# KiCad board FrontEnd_5G.kicad_pcb (continued)
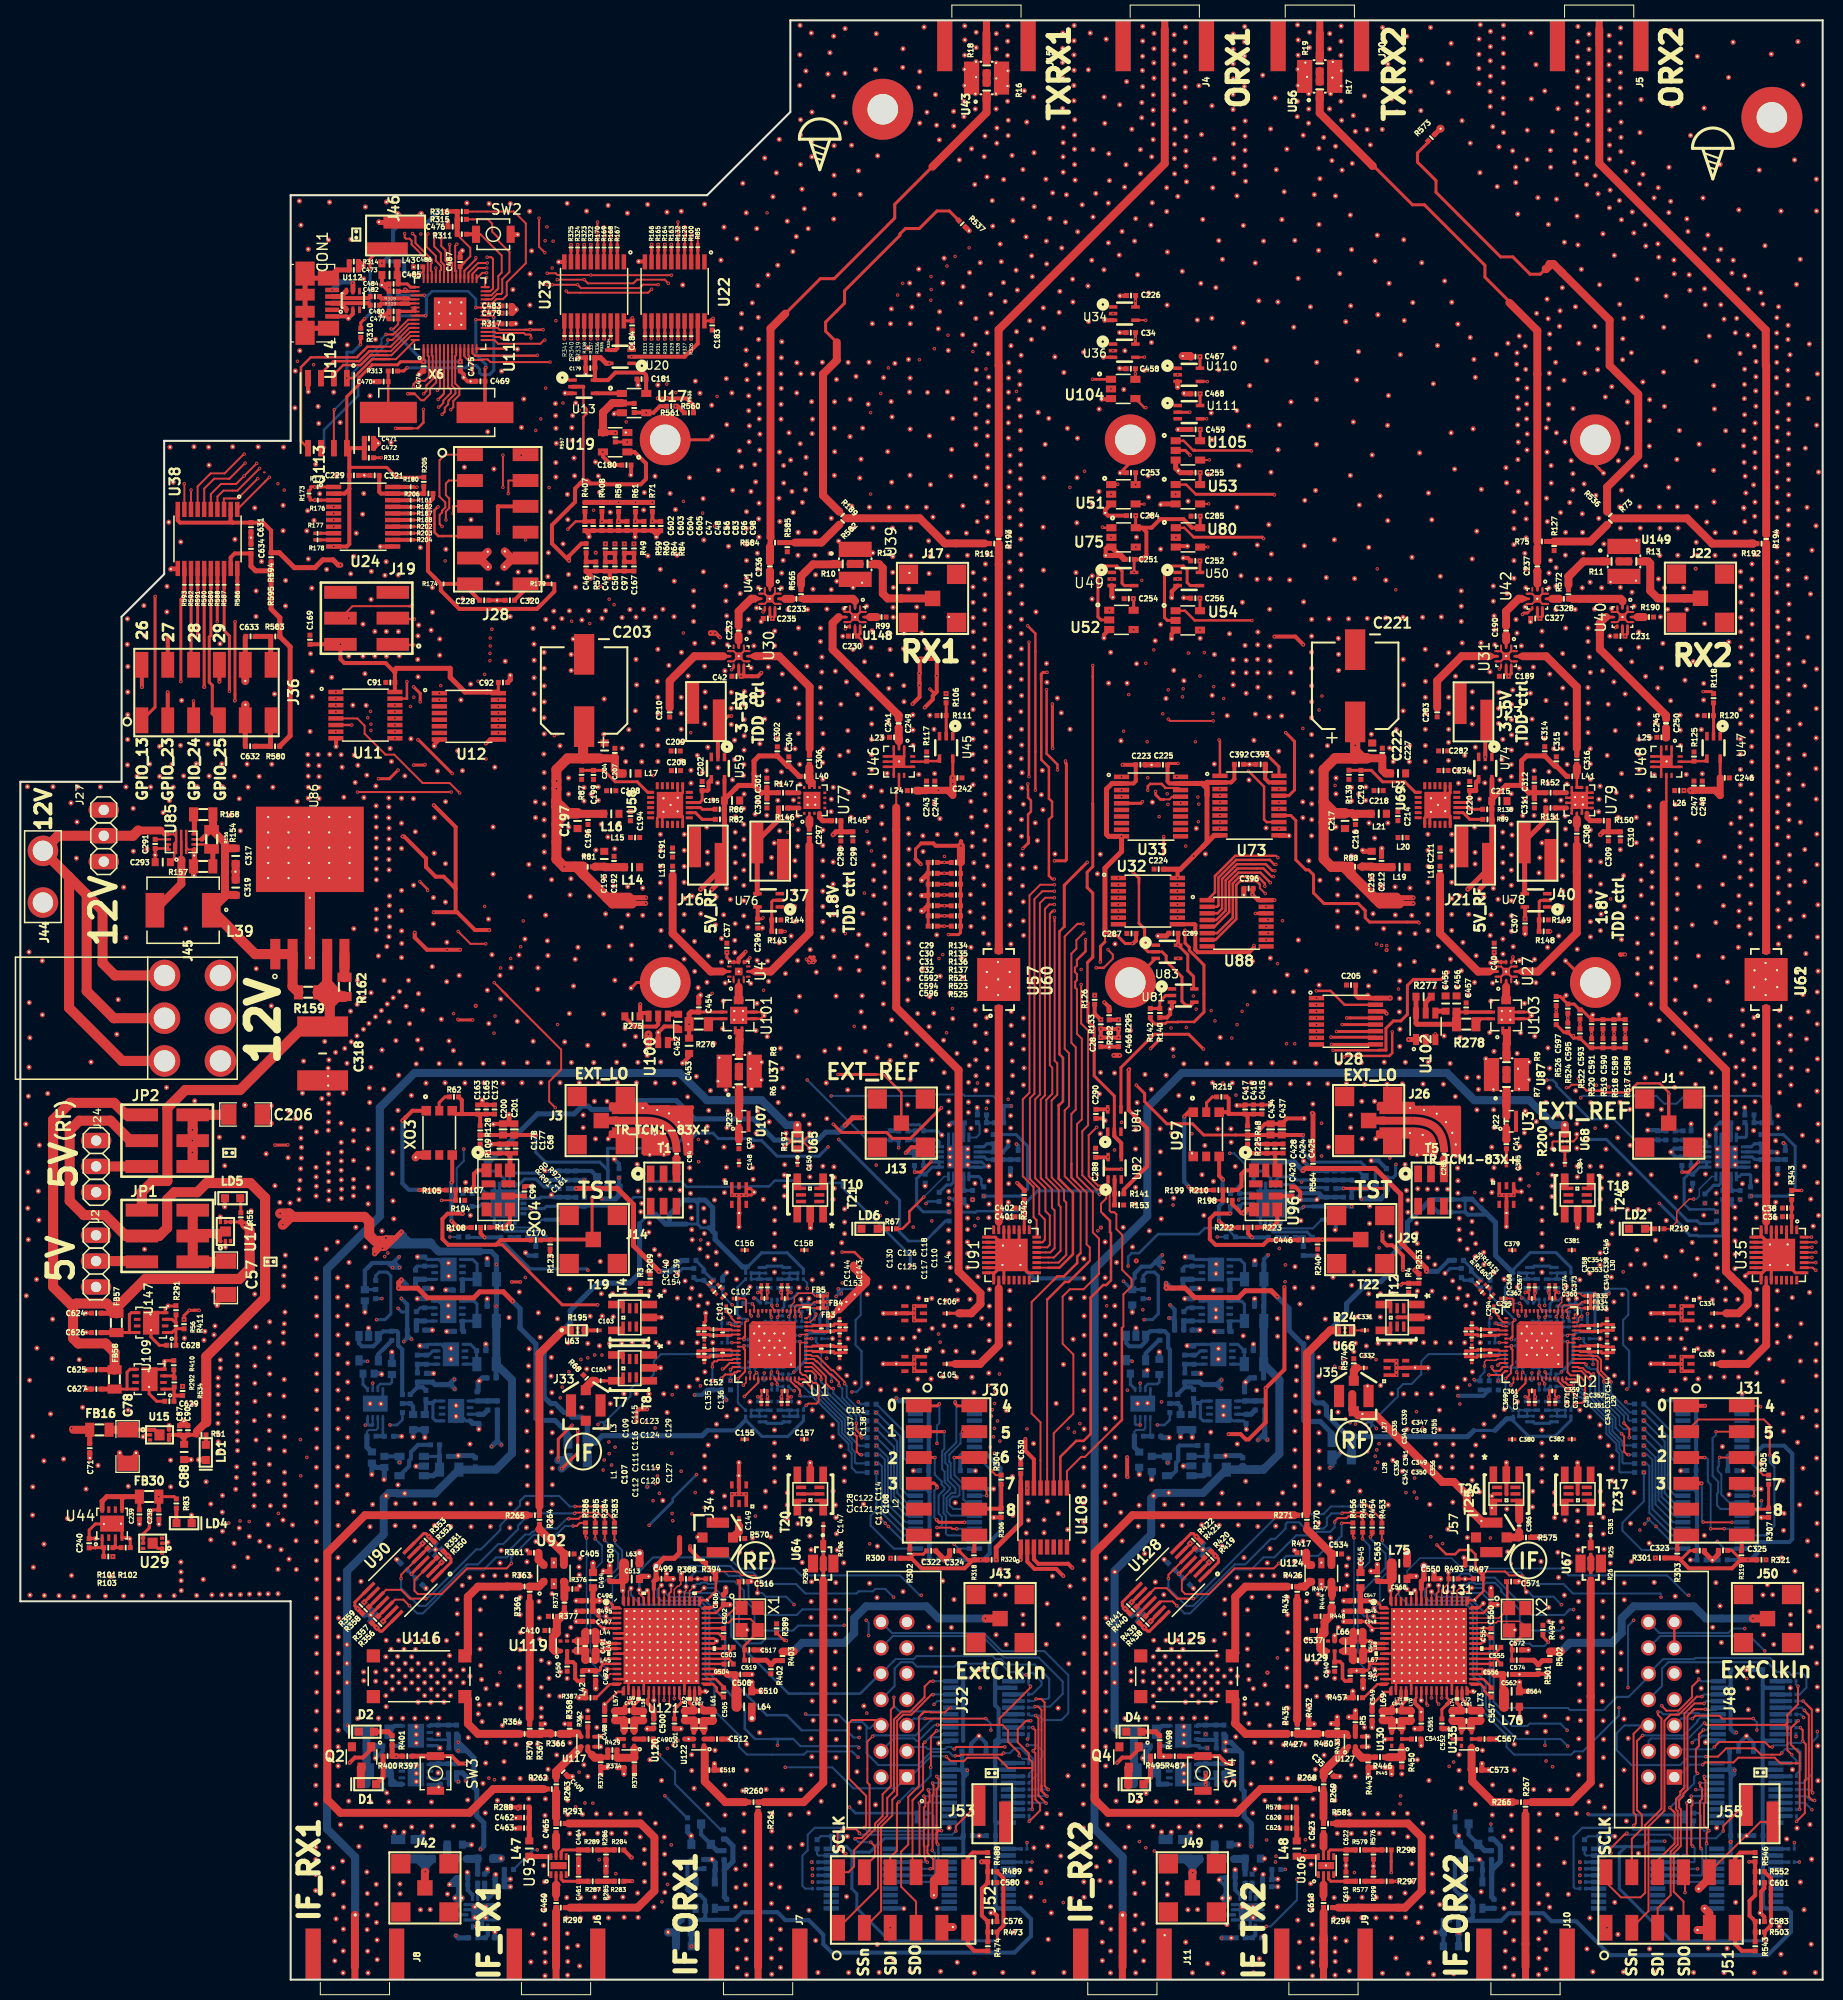
[diagram p0: board, top side]
## Routing (per net, layer and track width the routed paths; a pad name or vN(x,y) marks a point on that pad's centre or on a via; arc(x,y) is an arc through that point) (continued)
  B2.RO w0.4: 95.83,28.91 96.06,28.69 U134.2 ; 95.83,28.91 95.83,29.68 95.84,29.69 95.83,29.7 C579.1 ; 95.83,28.91 95.83,26.96 96.16,26.63 96.16,23.77 95.84,23.45 95.83,23.45 C575.1 ; U132.2 96.09,20.64 95.83,20.89 95.83,21.38 ; 95.83,21.38 C575.1 ; 95.83,21.38 95.83,15.56 ; 95.83,15.56 95.96,15.44 U132.10 ; 95.83,15.56 95.86,15.53 C525.1 95.86,12.8 ; U123.2 96.09,12.21 95.86,12.43 95.86,12.8 ; 95.86,12.8 95.86,7.25 96.11,7 U123.10 98.31,7 99.35,5.96 99.35,4.28 97.73,2.66 79.77,2.66 78.93,3.5 78.93,4.41 77.49,5.85 75.2,5.85 74.42,6.63 70.94,6.63 70.19,5.88 67.08,5.88 ; 44.46,8.34 44.44,8.34 43.98,8.8 C522.1 C520.1 ; 67.08,5.88 67.1,5.88 67.33,6.11 67.33,7 U118.2 67.32,7.82 66.82,8.32 66.09,8.32 65.57,8.84 65.57,11.43 65.94,11.8 R379.1 ; 67.08,5.88 C408.2 ; C575.1 95.84,22.48 95.84,22.92 96.24,23.32 96.08,23.49 U134.10 ; C523.2 46.67,8.59
  B2.RO w0.5: C520.1 43.98,10.51 43.94,10.55 ; v2(43.05,19.46) 42.88,19.63 R46.2 43.46,20.32 43.82,19.96 v2(43.82,19.52) ; v2(65.95,3.28) C407.2 65.94,4.65 C408.2 ; C523.2 C521.2 46.67,10.28 46.73,10.34
+3.3V_SC1905_#2: length 289.6
  F.RO w0.15: 137.97,40.67 137.97,39.35 137.72,39.1 U131.58 ; U131.5 132.86,34.54
  F.RO w0.25: 137.71,38.39 137.72,38.38 U131.58 ; 132.88,27.08 132.94,27.08 134.14,28.28 134.7,28.28 134.72,28.3 U131.17 ; R497.2 142.84,39.39 141.34,39.39 R493.2 ; 137.71,27.45 137.71,28.4 U131.23 ; v2(140.6,27.41) 140.52,27.41 140.22,27.71 U131.28
  F.RO w0.3: 140.25,27.07 139.74,26.56 C552.1 ; C548.1 132.17,35.21 132.25,35.13 132.27,35.13 132.57,34.83 ; 132.57,34.83 132.87,34.53 132.87,34.38 ; 132.57,34.83 132.86,34.54 ; U128.4 113.89,39.9
  F.RO w0.4: 113.89,39.9 v2(113.89,39.87) ; v2(122.59,30.18) 122.59,30.18 122.58,30.18 ; 140.25,27.07 140.26,27.07 v2(140.6,27.41)
  F.RO w0.5: v2(141.39,4.65) 141.4,4.65 ; R498.2 R495.2 112.34,21.97 112.38,21.93 112.41,21.96 R487.2
  F.RO w0.51: 137.72,38.38 137.72,39.14 137.98,39.4 C550.2 137.97,39.45 137.97,40.68 ; 132.88,27.08 C549.1
  F.FR4 w0.3: 132.86,34.31 133.3,33.87 ; 133.3,33.87 134.03,33.87 ; 133.3,33.87 132.87,34.3 132.87,34.38
  F.FR4 w0.4: 120.35,23.52 124.17,27.34 127.08,27.34 127.34,27.08 132.88,27.08 ; 126.86,30.34 127.59,30.34 129.13,31.88 134.03,31.88 ; 121.57,17.18 122.49,16.26 122.49,13.75 121.2,12.46 121.07,12.46 119.42,10.81 ; 121.57,17.18 121.55,17.2 ; 121.57,17.18 121.57,17.15 121.57,17.18 ; 121.89,18.53 121.89,18.56 121.55,18.22 121.55,17.2 ; 121.55,17.2 122.51,16.24 v2(122.51,13.73) ; 140.68,28.22 140.4,28.49 137.88,28.49 137.71,28.32 137.71,27.45 ; 140.68,28.22 140.68,27.49 v2(140.6,27.41) ; 140.68,28.22 140.68,27.5 141.07,27.11 144.62,27.11 145.66,28.15 145.66,36.13 146.35,36.82 146.35,37.57 144.53,39.39 142.03,39.39 ; 121.89,24.38 121.89,24.46
  F.FR4 w0.46: 137.71,27.45 137.71,27.46
  F.FR4 w0.5: 118.55,19.52 118.49,19.46 117.92,20.03 117.92,20.57 117.91,20.57 116.51,21.97 112.96,21.97 ; 112.96,21.97 112.42,21.97 112.38,21.93 ; 112.96,21.97 112.95,21.97 ; 141.39,40.67 141.12,40.94 138.24,40.94 137.97,40.67 ; 121.89,18.53 121.86,18.53 122.19,18.86 122.19,24.12 121.93,24.38 121.89,24.38 ; v2(131.14,10.53) 126.54,10.53 125.51,11.56 v2(123.38,11.56) 123.43,11.61 v2(123.43,12.13) ; 123.09,29.69 v2(122.59,30.18) 123.09,29.69
  F.FR4 w0.51: 134.03,27.08 136.06,27.08 136.43,27.45 137.71,27.45 ; 134.03,27.08 132.88,27.08 ; 134.03,27.08 134.03,36.85 133.52,37.36 133.52,39.15 135.04,40.67 137.97,40.67 ; 141.39,40.67 142.03,40.03 142.03,39.39
  F.FR4 w0.79: 123.77,27.44 123.77,26.26 123.6,26.09 122.56,26.09 121.89,25.42 121.89,24.46 121.8,24.37 121.05,24.37 120.35,23.67 120.35,20.61 119.26,19.52 118.55,19.52 ; 123.77,27.44 123.93,27.6 125.34,27.6 ; 123.77,27.44 123.77,27.62 123.44,27.95 123.44,29.33 123.09,29.69 ; 125.34,27.6 125.98,27.6 ; 125.34,27.6 125.52,27.78 125.52,29.7 126.16,30.34 126.86,30.34
  B.FR4 w0.3: v2(113.89,39.87) 113.71,39.69 113.71,38.15 114.18,37.68
  B.FR4 w0.4: v2(122.51,13.73) 123.43,12.81 v2(123.43,12.13) 123.43,11.6
  B.FR4 w0.5: 123.43,11.6 122.17,10.34 ; v2(131.14,10.53) 131.21,10.46 131.21,3.19 131.36,3.04 139.78,3.04 v2(141.39,4.65) ; 114.18,37.68 116.21,35.65 116.22,35.65 116.96,34.91 121.27,34.91 121.79,34.39 121.79,30.98 v2(122.59,30.18)
  B2.RO w0.3: 119.48,10.1 119.47,10.09 ; 119.52,9.4 119.47,9.35 ; 122.11,8.59 121.54,8.02 IC2.4 ; 119.41,8.83 119.9,8.34 IC2.1 ; U126.2 142.75,6.99
  B2.RO w0.4: 141.39,5.89 C533.2 142.33,5.88 ; 141.38,4.66 v2(141.39,4.65) ; C566.2 122.11,10.28 122.17,10.34 ; 119.9,8.34 119.42,8.82 C569.1 C565.1 119.42,10.51 119.38,10.55 ; 171.3,12.45 171.55,12.2 U138.2 ; 171.3,12.45 171.3,7.25 171.55,7 U138.10 173.67,7 174.06,6.61 174.06,4.7 171.77,2.41 156.27,2.41 152.94,5.74 150.52,5.74 149.73,6.53 146.3,6.53 145.56,5.79 142.42,5.79 142.33,5.88 ; 171.3,12.45 C586.1 171.3,15.53 171.27,15.56 ; 171.27,20.89 171.53,20.63 U137.2 ; 171.27,20.89 171.27,15.56 ; 171.27,20.89 C585.1 171.27,23.71 ; 171.27,15.56 171.4,15.43 U137.10 ; 171.27,28.91 171.5,28.68 U136.2 ; 171.27,28.91 171.27,23.71 ; 171.27,28.91 C584.1 ; 171.27,23.71 171.5,23.48 U136.10 ; C527.2 v2(113.89,39.87) 114.31,39.45 C529.2 ; 142.33,5.88 142.54,5.88 142.77,6.11 U126.2 142.77,7.81 142.26,8.32 141.53,8.32 141.01,8.84 141.01,11.44 141.37,11.8 R436.1 ; C570.2 122.11,8.59
  B2.RO w0.5: 141.4,5.9 C533.2 141.38,4.66 ; 119.26,19.52 119.26,19.97 118.91,20.32 R347.2 118.32,19.63 118.49,19.46 ; C570.2 C566.2 ; C565.1 119.42,10.81 ; C528.2 v2(141.39,4.65)
+3V_RF: length 422.2
  F.RO w0.2: v1(91.65,117.54) 91.65,118.11 v1(91.66,118.12)
  F.RO w0.3: C246.2 167.09,118.13 U47.5 ; U45.5 v1(91.66,118.12)
  F.RO w0.4: v1(164.69,138.68) 164.68,138.69
  F.RO w0.5: L24.1 88.12,116.9 C244.1
  F.RO w0.7: v1(164.16,116.88) 164.48,116.88 C247.1 C248.1 166.57,116.91 167.1,116.38 C246.2 ; L24.1 89.05,116.87 C243.1 C244.1 v1(90.25,116.9) 91.17,116.9 91.66,116.41 v1(91.66,118.12)
  F.RO w0.79: 88.38,116.87 L24.1
  F.FR4 w0.4: 74.18,140.88 79.98,140.88 80.27,140.59 81.62,140.59 81.93,140.9 86.25,140.9 86.55,140.59 89.1,140.59 89.18,140.67 92.47,140.67 94.87,143.07 96.6,143.07 96.8,142.87 97.54,142.87 98.09,142.32 98.77,142.32 99.09,142 104.3,142 105.67,143.37 107.33,143.37 107.99,142.71 110.13,142.71 110.47,142.37 114.7,142.37 114.89,142.18 120.11,142.18 120.14,142.21 123.13,142.21 125.64,139.7 133.96,139.7 134.9,138.76 140.16,138.76 140.47,138.45 147.09,138.45 147.91,137.63 151.78,137.63 152.83,138.68 v1(164.69,138.68) ; 74.18,140.88 72.57,140.88 ; 74.18,140.88 72.57,140.88 ; 72.57,140.88 71.61,141.84 ; 72.57,140.88 71.61,141.84 ; 71.61,141.84 69.02,141.84 68.59,142.27 ; 68.59,142.27 68.51,142.35 ; 68.59,142.27 68.59,142.52 v1(68.24,142.87) ; 99.6,115.84 99.7,115.74
  F.FR4 w0.5: 132.55,112.92 136.43,112.92 137.53,111.82 139.32,111.82 ; 132.55,112.92 131.55,111.92 ; 132.55,112.92 131.55,111.92 ; 139.32,111.82 139.52,111.82 ; 139.32,111.82 139.35,111.79 142.49,111.79 142.7,112 146.13,112 146.13,111.98 147.13,110.98 151.44,110.98 151.67,110.75 156.09,110.75 157.25,109.59 157.79,109.59 159.59,111.39 162.15,111.39 162.61,111.85 163.22,111.85 164.16,112.79 164.16,115.12 ; 164.16,115.12 v1(164.16,116.88) v1(163.52,116.88) ; 164.16,115.12 163.81,115.47 163.81,116.59 v1(163.52,116.88) ; 164.16,115.12 163.52,115.76 v1(163.52,116.88) ; 131.55,111.92 128.3,111.92 128.03,111.65 122.05,111.65 121.37,112.33 115.3,112.33 113.98,113.65 113.98,113.66 113.71,113.66 112.31,115.06 108.48,115.06 107.92,115.62 102.95,115.62 102.83,115.74 99.7,115.74 ; 99.6,115.84 99.16,116.28 98.23,116.28 97.54,116.97 97.03,116.97 96.59,117.41 94.63,117.41 93.9,116.68 92.51,116.68 v1(91.65,117.54) 91.65,118.11 v1(91.66,118.12)
  F.FR4 w0.79: 26.52,104.66 15.36,104.66 11.03,100.33 11.03,68.8 8.66,66.43 8.66,50.96 9.09,50.53 v2(9.09,41.59) ; 26.52,104.66 26.73,104.66 ; 26.52,104.66 33.04,104.66 43.04,114.66 43.04,114.67 45.39,114.67 50.23,119.51 58.15,119.51 59.31,118.35 63.92,118.35 67.75,114.52 68.32,114.52 69.71,115.91 69.71,116.34 70.83,117.46 73.59,117.46 74.3,116.75 75.42,116.75 ; 75.42,116.75 75.54,116.75 ; 75.42,116.75 75.42,116.85 75.75,117.18 75.75,117.96 76.17,118.38 77.51,118.38 ; 77.51,118.38 77.57,118.38 ; 77.51,118.38 77.82,118.38 78.24,118.8 80.84,118.8 81.5,119.46 82.19,119.46 82.89,118.76 82.89,118.1 84.05,118.1 84.19,117.96 84.46,117.96 84.68,117.74 84.85,117.74 84.96,117.63 85.12,117.63 ; 85.12,117.63 85.38,117.37 ; 85.12,117.63 86,117.63 86.75,116.88 90.39,116.88 ; v1(90.25,116.9) 91.01,116.9 v1(91.65,117.54)
  B.FR4 w0.2: v1(163.53,116.88) 163.53,116.88 ; v1(164.16,116.88) 164.16,116.88
  B.FR4 w0.4: v1(164.69,138.68) 164.69,138.67 164.67,138.65 164.67,132.49 165.28,131.88 165.28,128.92 164.71,128.35 164.71,127.55 164.06,126.9 164.06,120.73 163.16,119.83 163.16,117.94 163.52,117.58 v1(163.52,116.88) ; 62.66,118.81 63.26,119.41 63.31,119.41 64.42,120.52 64.42,120.6 65.43,120.6 68.21,123.38 68.21,128.65 70.21,130.65 70.21,135.74 70.1,135.85 70.1,138.89 68.24,140.75 v1(68.24,142.87) ; 62.66,118.81 v1(62.21,118.36) 62.66,118.81
  B.FR4 w0.79: v2(9.09,41.59) 9.09,41.59
+5V: length 787.5
  F.RO w0.3: 20.67,74.49 U14.4 ; U14.4 21.66,74.48 R55.1 ; U14.4 U14.5 ; 7.92,65.5 C624.1 ; v2(175.1,77.57) R343.1
  F.RO w0.4: U73.19 122.74,117.68 122.37,118.04 C393.1 ; v1(97.99,78.31) 98.68,77.62 R342.1 ; v2(106.22,73.93) 106.23,73.92 ; 34.89,72.59 35.21,72.91 35.61,72.91 ; 34.89,72.59 35.12,72.36 35.94,72.36 ; 34.89,72.59 35.59,71.89 v2(35.6,71.89) ; 34.89,72.59 35.63,72.59 v2(35.94,72.9) ; v2(35.94,72.9) v2(35.95,72.91) 35.61,72.91 ; v2(35.94,72.9) 35.6,72.56 v2(35.6,71.89) ; v2(35.6,71.89) 35.61,71.9 35.61,72.91 ; v2(108.84,49.4) 108.8,49.44 v2(108.8,51.35) ; R55.1 21.71,74.48
  F.RO w0.5: 21.71,74.48 22.02,74.17 ; 22.55,73.64 22.55,69.89 21.53,68.87 12.28,68.87 9.45,66.04 ; 8.49,66.46 5.51,66.46 5.15,66.1 5.15,63.02 5.7,62.47 8.44,62.47 9.26,61.65 FB58.1 9.25,59.96 C625.1 ; v2(22.02,74.19) 21.73,74.48 R55.1 ; v1(122.38,118.7) 122.37,118.7 ; v1(122.38,118.7) 122.37,118.7 ; v1(122.38,118.7) 122.37,118.7 ; v1(122.38,118.7) 122.38,119.44 C393.1 ; v2(35.94,72.9) 36.88,72.9 v2(37.46,73.48) 35.87,71.89 v2(35.6,71.89) ; v2(35.94,72.9) 34.83,71.79 v2(34.83,71.35) 35.37,71.89 v2(35.6,71.89) ; v2(35.94,72.9) 35.94,72.23 v2(35.6,71.89) ; v2(35.94,72.9) 36.22,72.62 36.22,72.6 ; v2(109.7,70.65) 109.69,70.65 ; FB57.1 7.92,65.5
  F.RO w0.79: 22.02,74.17 v2(22.02,74.19) 22.55,73.66 22.55,73.64
  F.RO w1: 5.18,66.14 3.22,68.1 3.22,84.51 4.89,86.18 9.21,86.18 10.38,85 11.94,85 ; 5.18,66.14 5.19,66.14 ; 5.18,66.14 5.5,66.46 8.49,66.46 FB57.1 9.45,66.04 12.28,68.87 21.53,68.87 22.55,69.89 v1(22.55,73.18) 22.55,73.64 ; 5.18,66.14 5.18,63.05 5.7,62.53 8.38,62.53 9.26,61.65 FB58.1 ; 26.77,74.97 33.83,74.97 34.29,74.51 34.29,73.19 34.89,72.59 ; 26.77,74.97 26.57,74.97 v2(25.8,74.2) ; 26.77,74.97 26.43,75.31 v1(25.54,75.31)
  F.FR4 w0.2: 62.92,70.53 63.4,71.01 63.73,71.01 63.9,70.84 63.91,70.84 64.52,70.23 64.52,70.21
  F.FR4 w0.25: 67.9,75.52 67.56,75.18 66.63,75.18 66.41,75.4 65.37,75.4 65.02,75.05 62.92,75.05 ; 61.1,68.95 61.54,68.95 61.54,68.92 61.78,68.92 62,68.7
  F.FR4 w0.3: 79.15,70.88 79.19,70.84 80.35,70.84 ; 52.12,68.85 61,68.85 61.1,68.95 ; 69.42,68.66 69.12,68.36 68.98,68.36 68.34,69 68.34,69.01 68.69,68.66 69.42,68.66 ; 69.42,68.66 70.87,70.11 76.54,70.11 ; 64.5,70.21 62.79,68.5 62.2,68.5 62,68.7 ; v2(157.57,69.57) 156.02,71.12 156.02,71.54 154.86,72.7 148.9,72.7 148.74,72.86 145.41,72.86 144.32,73.95 142.15,73.95 142.08,73.88 142.08,72.44 141.63,71.99 141.25,71.99 ; 81.83,73.89 79.99,73.89 ; 59.61,68.85 59.82,68.85 61.5,70.53 62.92,70.53 ; 85.6,71.88 83.84,71.88
  F.FR4 w0.4: 74.93,72.71 73.72,72.71 73.67,72.66 ; v1(97.99,78.31) 98.74,79.06 v2(105.86,79.06) ; v2(107.61,24.59) 107.61,22.27 107.08,21.74 102.09,21.74 100.9,20.55 96.41,20.55 95.74,21.22 92.57,21.22 92.37,21.02 90.58,21.02 90.11,21.49 88.83,21.49 88.5,21.16 81.43,21.16 81.2,20.93 77.32,20.93 76.83,21.42 76.83,22.03 74.84,24.02 74.06,24.02 73.56,23.52 72.14,23.52 71.72,23.94 70.93,23.94 69.82,22.83 69.42,22.83 69.07,23.18 67.92,23.18 67.62,22.88 65.2,22.88 63.06,20.74 62.76,20.74 62.75,20.73 61.2,20.73 60.06,21.87 54.74,21.87 51.34,18.47 43.07,18.47 42.79,18.19 37.83,18.19 37.51,17.87 37.51,17.51 36.8,16.8 35.51,16.8 35.31,17 35.31,17.61 33.79,19.13 33.79,22.77 32.13,24.43 v2(32.13,25.02) ; 62.92,75.05 62.92,75.26 61.84,75.26 60.77,74.19 60.67,74.19 60.66,74.18 60.66,74.04 60.66,74.17 61.54,75.05 62.43,75.05 ; 24.74,75.37 24.74,74.76 24.94,74.76 25.54,75.36 ; 109.96,71.04 109.96,71.02 109.96,71.07 109.96,71.04 ; 109.96,71.04 109.98,71.04 109.84,71.04 109.96,71.04 ; v2(112.18,56.79) 112.18,60.01 111.69,60.5 ; v2(108.83,57.94) 108.83,59.15 110.05,60.37 110.05,60.76 111.23,61.94
  F.FR4 w0.5: 80.35,70.84 81.43,70.84 82.47,71.88 ; 68.34,69 67.13,70.21 64.52,70.21 ; 79.19,70.84 77.27,70.84 76.54,70.11 76.53,70.12 74.78,70.12 74.78,70.11 ; 73.67,72.66 73.03,72.66 72.53,73.16 70.26,73.16 67.9,75.52 67.9,76.03 67.31,76.62 64.28,76.62 62.71,75.05 62.43,75.05 ; 73.58,70.11 73.58,70.09 70.89,70.09 70.87,70.11 70.25,69.49 ; 64.52,70.21 64.46,70.21 63.59,69.34 ; 64.52,70.21 64.5,70.21 ; 63.59,69.34 63.59,69.3 ; 63.59,69.34 63.59,69.3 ; 63.59,69.3 63.14,68.85 ; 49.46,66.19 49.08,65.81 47.56,65.81 47.18,66.19 v2(46.78,66.19) 46.78,64.68 47.5,63.96 50.54,63.96 52.33,65.75 52.33,67.93 53.25,68.85 ; 137.3,70.95 130.28,70.95 129.41,70.08 126.55,70.08 125.4,71.23 v2(122.66,71.23) ; 137.3,70.95 137.32,70.95 ; 137.3,70.95 137.3,71.28 138.01,71.99 141.25,71.99 141.36,71.88 ; 90.71,70.72 93.94,70.72 ; 83.84,71.88 81.83,73.89 ; 79.99,73.89 78.81,72.71 74.93,72.71 ; 60.5,68.85 61,68.85 ; v2(109.7,70.65) 109.84,70.79 109.84,71.04 ; 111.79,60.4 111.23,60.96 111.23,65.57 110.95,65.85 v2(110.34,65.85) ; 52.12,68.85 59.59,68.85
  F.FR4 w0.79: 49.46,66.19 52.12,68.85 60.5,68.85 59.59,68.85 ; 64.28,76.62 62.71,75.05 62.92,75.05 62.43,75.05 ; 60.31,73.69 60.66,74.04 ; 82.47,71.88 89.55,71.88 90.71,70.72 ; v2(105.92,73.61) 105.36,73.05 95.91,73.05 94.54,71.68 94.54,71.32 93.94,70.72 ; v2(106.22,73.93) 106.84,73.93 108.25,72.52 108.25,71.59 108.77,71.07 110.48,71.07 111.92,72.51 114.91,72.51 115.77,71.65 122.24,71.65 v2(122.66,71.23)
  F.FR4 w1: v2(46.8,70.3) 46.8,70.33 50.16,73.69 60.31,73.69 ; 22.03,74.2 v2(25.8,74.2) 25.54,74.46 25.54,75.36 v1(25.54,75.31) 24.68,75.31 24.74,75.37 v1(22.55,73.18) 22.55,73.66 v2(22.02,74.19) 22.03,74.2
  B.FR4 w0.3: v2(175.1,77.57) 175.25,77.42 175.25,74.54 174.58,73.87 170.92,73.87 168.97,71.92 164.8,71.92 162.45,69.57 v2(157.57,69.57) ; v2(105.92,73.61) 106.22,73.92 v2(106.22,73.93)
  B.FR4 w0.4: v2(105.86,79.06) 106.13,79.06 106.7,78.49 106.7,75.17 ; 106.7,75.17 106.7,74.43 ; 106.7,75.17 106.7,74.4 v2(106.22,73.93) 106.22,73.92 ; v2(108.8,51.35) 108.83,51.38 v2(108.83,57.94) ; 110.93,51.03 109.85,51.03 108.84,50.02 v2(108.84,49.4)
  B.FR4 w0.5: 25.82,74.17 25.8,74.19 v2(25.8,74.2) ; v2(110.34,65.85) 109.7,66.49 v2(109.7,70.65) ; v2(122.66,71.23) 122.82,71.07 124.33,71.07 125.04,71.78 125.04,80.94 125.34,81.24 125.34,86.33 124,87.67 124,90.87 121.98,92.89 121.98,94.66 122.17,94.85 122.17,97.96 119.51,100.62 119.51,108.05 120.09,108.63 120.09,109.33 121.15,110.39 121.15,115.89 122.38,117.12 v1(122.38,118.7)
  B2.RO w0.2: 118.54,50.12 FB56.1 116.26,47.84 ; 116.26,47.84 113.27,47.84 113.22,47.79 ; 116.26,47.84 112.91,47.84 112.89,47.86 111.69,47.86 111.39,47.56
  B2.RO w0.3: 122.21,60.49 FB53.1 ; FB21.1 44.45,50.13 C63.1
  B2.RO w0.4: FB17.1 109.47,24.07 C185.1 ; 122.23,66.18 C448.1 ; 109.47,20.87 FB23.1 ; v2(122.66,71.23) 122.24,70.81 C449.1 ; v2(35.94,72.9) v2(35.95,72.91) ; v2(35.94,72.9) 35.94,72.38 ; v2(35.94,72.9) 35.94,72.23 ; v2(35.95,72.91) 35.6,72.56 ; v2(35.95,72.91) 35.6,72.56 ; 35.94,72.38 35.94,72.36 ; 35.94,72.38 35.94,72.36 ; 35.94,72.23 v2(35.6,71.89) ; 35.94,72.23 35.94,72.36 ; 35.94,72.23 v2(35.6,71.89) ; v2(35.6,71.89) 35.6,72.56 ; v2(35.6,71.89) 35.6,72.56 ; 109.47,19.17 109.47,20.27
  B2.RO w0.5: C447.1 122.21,60.49 ; FB54.1 122.23,66.18 ; 122.24,66.42 FB55.1 122.24,68.84 C449.1 ; 109.72,24.42 FB17.1 107.95,24.37 107.56,24.76 107.56,29.19 ; FB19.1 46.78,64.75 v2(46.78,66.19) 46.8,66.21 FB18.1 46.8,68.84 v2(46.8,70.3) 46.8,71.05 46.28,71.57 45.16,71.57 ; FB20.1 46.77,60.49 C53.1 ; 41.23,71.57 41.11,71.57 ; 37.75,73.12 38.51,72.36 40.25,72.36 ; 37.75,73.12 37.53,72.9 v2(35.94,72.9) ; 37.75,73.12 37.75,73.19 v2(37.46,73.48) 36.88,72.9 v2(35.94,72.9) ; v2(35.6,71.89) 36.07,72.36 37.09,72.36 ; v2(35.6,71.89) 35.94,72.23 ; v2(35.6,71.89) 35.37,71.89 v2(34.83,71.35) ; v2(35.6,71.89) 35.94,72.23 ; v2(34.83,71.35) 34.83,71.79 ; v2(34.83,71.35) 34.83,71.79 ; 34.83,71.79 v2(35.94,72.9) ; 34.83,71.79 v2(35.94,72.9) ; v2(35.94,72.9) 35.94,72.23 ; v2(35.94,72.9) 35.94,72.23 ; C448.1 122.24,66.21
  B2.RO w0.79: 119.26,50.13 119.89,50.13 C609.1 120.41,50.15 121.52,50.15 ; 119.26,50.13 FB56.1 116.26,47.84 111.69,47.84 111.16,47.31 111.16,43.77 107.57,40.18 107.57,24.75 107.9,24.42 109.72,24.42 ; 119.26,50.13 120.95,50.13 ; 121.52,50.15 121.5,50.13 120.95,50.13 ; 121.52,50.15 121.8,50.15 ; FB53.1 122.22,64.73 FB54.1 ; FB53.1 122.24,60.48 ; FB53.1 123.77,58.95 123.77,51.7 122.22,50.15 ; 120.95,50.13 122.2,50.13 122.22,50.15 ; 122.22,50.15 122.22,50.24 122.22,50.15 ; 109.47,22.72 109.47,21.82 ; 109.47,22.72 C185.1 ; 109.47,22.72 109.47,24.07 FB17.1 ; 109.47,21.82 C186.1 109.47,20.27 FB23.1 109.47,20.87 109.47,21.82 ; 32.12,30.27 32.12,31.67 32.14,31.69 32.14,32.89 32.1,32.93 32.13,32.96 32.13,40.18 35.72,43.77 35.72,47.33 36.23,47.84 37.03,47.84 37.08,47.79 40.78,47.79 43.12,50.13 46.75,50.13 48.33,51.71 48.33,58.94 46.78,60.49 FB20.1 46.78,64.73 FB19.1 ; 32.12,30.27 32.13,30.27 32.13,31.06 32.1,31.09 ; 32.12,30.27 32.12,29.19 32.13,29.18 v2(32.13,25.02) 32.13,24.75 32.46,24.42 34.28,24.42 FB24.1 34.03,24.07 C43.1 34.03,21.76 ; 34.03,21.76 34.03,20.87 FB46.1 34.03,20.27 C44.1 34.03,21.76 ; 41.11,71.57 40.32,72.36 ; 41.23,71.57 45.16,71.57
  B2.RO w1: 40.32,72.36 35.94,72.36
+5V_DCDC: length 47.9
  F.RO w0.79: C318.1 29.72,93.69
  F.RO w1: U86.4 30.16,97.96 30.14,97.93 ; 30.14,97.93 30.42,97.65 ; 30.14,97.93 R159.1 ; R159.1 30.41,95.87 31.16,96.63 R162.2 ; R159.1 29.65,96.63 R162.2 ; 30.42,97.65 31.44,96.63 R162.2 ; 30.42,97.65 30.42,94.39 C318.1 27.84,93.69 21.59,87.44 16.21,87.44 14.45,85.68 14.45,78.5 13.04,78.5 11.95,77.41 11.95,75.64 12.52,75.64
+5V_PWR: length 19.1
  F.RO w0.3: U14.1 19.66,73.04 U14.1 ; 19.99,70.84 C57.1
  F.RO w0.4: JP1.4 19.17,73.09 U14.1 ; 19.55,73.54 19.55,72.72 U14.1 ; 19.3,73.54 19.3,72.97 U14.1
  F.RO w0.5: JP1.4 17.39,73.54 19.55,73.54 19.3,73.54 U14.1
  F.RO w1: 20.62,70.56 16.95,70.56 JP1.6 JP1.4 16.95,75.64
+5V_RF: length 911.3
  F.RO w0.1: 131.16,120.05 131.16,120.03 131.19,120.03 131.22,120.05 C222.1 ; v1(136.96,106.34) 136.96,106.34 136.91,106.34 ; 61.46,106.34 61.51,106.34 v1(61.52,106.34)
  F.RO w0.25: v2(110.64,12.97) 110.64,12.97 ; 52.91,122.42 52.63,122.42 v1(52.48,122.27)
  F.RO w0.3: R83.1 15.11,47.48 v1(13.61,47.48) ; 61.75,92.45 v1(61.75,92.41) ; 52.7,117.82 v1(52.72,117.82) ; C238.1 13.05,46.17 12.67,45.8 12.67,44.41 12.07,43.8 U29.4 U29.5
  F.RO w0.4: 132.38,120.05 131.09,121.34 131.09,123.5 C221.1 ; v2(123.49,16.84) 123.6,16.95 R578.1 ; v2(47.96,16.83) 48.08,16.95 R288.1 ; C238.1 13.61,46.18 v1(13.61,47.48) ; U59.5 69.22,116
  F.RO w0.5: 73.41,116.66 73.39,116.64 C300.1 ; 73.41,116.66 73.38,116.69 ; 73.41,116.66 R147.2 ; 73.38,116.69 72.92,116.69 72.87,116.64 72.86,116.64 72.12,117.38 ; 73.38,116.69 C301.2 ; 72.12,117.38 72.12,119.78 72.62,120.28 C302.2 75.4,119.29 C304.2 76.56,118.27 L40.1 ; 72.12,117.38 70.6,117.38 70.28,117.06 ; C311.1 148.83,116.08 148.83,116.67 ; 147.56,117.39 148.31,116.65 148.33,116.67 148.83,116.67 ; 147.56,117.39 147.56,118.48 147.58,118.49 147.58,119.8 148.07,120.29 C314.2 150.84,119.3 C315.2 152.01,118.28 L41.1 ; 147.56,117.39 146.05,117.39 144.65,115.99 ; R89.2 144.64,114.06 R138.2 144.65,115.99 ; R89.2 144.67,110.12 144.28,109.74 ; R89.2 144.66,110.45 144.5,110.28 ; 144.65,115.99 144.66,116 U74.5 ; 144.28,109.74 144.28,108.03 v1(143.42,107.16) ; 144.28,109.74 144.28,109.18 v1(142.28,107.18) ; 136.91,106.34 135.27,106.34 ; 135.56,105.78 v1(136.92,105.78) ; v1(155.32,112.54) 155.6,112.82 C309.2 ; C309.2 R150.1 ; C309.2 C310.2 ; 136.46,92.41 v1(136.47,92.41) U102.1 ; 75.41,119.3 75.54,119.3 76.57,118.28 ; 69.22,116 69.2,115.98 ; 69.2,115.98 R86.2 69.2,114.07 R82.2 69.22,110.1 J16.2 ; 69.2,115.98 70.28,117.06 ; J16.2 68.85,109.15 v1(66.87,107.17) ; J16.2 68.85,108.03 v1(67.97,107.15) ; 70.28,117.06 70.29,117.06 70.34,117.11 ; C204.1 58.37,120.06 C207.1 ; C197.1 55.6,114.64 C196.1 ; 60.12,105.78 v1(61.48,105.78) ; 61.46,106.34 59.82,106.34 ; v1(79.89,112.53) 80.18,112.82 C298.2 ; v1(131.22,121.33) 131.29,121.25 v1(131.22,121.33) ; v1(131.22,121.33) C221.1 ; v2(48.92,16.84) 49.03,16.95 R288.1 ; 148.83,116.67 R152.2 ; 148.83,116.67 C312.2 ; C298.2 C299.2 ; C298.2 R145.1
  F.RO w0.7: 52.7,113.53 53.81,114.64
  F.RO w0.79: C197.1 54.83,114.59 L16.1 ; C217.1 130.94,114.65 131.14,114.44 C216.1 131.4,114.59 L21.1 ; v1(61.74,92.91) 61.74,92.42 v1(61.75,92.41) ; L22.1 134.22,118.56 133.89,118.9 C227.1 133.79,120.05 132.38,120.05 ; 56.93,120.04 58.35,120.04 C207.1 58.44,118.91 58.79,118.56 L17.1
  F.RO w1: 52.7,115.31 53.37,114.64 C197.1 53.81,114.64 ; 52.7,115.31 52.7,110.13 53.45,109.38 R81.2 ; 52.7,115.31 53.14,115.31 53.81,114.64 ; 52.7,115.31 52.7,115.84 ; 53.81,114.64 52.7,115.75 52.7,115.82 52.68,115.84 52.7,115.84 ; 128.12,115.75 129.22,114.65 C217.1 129.03,114.65 128.12,113.73 ; 128.12,115.75 128.12,113.73 ; 128.12,115.75 128.12,118.93 129.24,120.05 132.38,120.05 129.25,120.05 ; 128.12,113.73 128.12,110.17 128.9,109.39 ; 128.9,109.39 130.06,109.39 130.87,108.58 ; 128.9,109.39 R88.2 130.76,108.69 130.87,108.58 ; 130.87,108.58 133.11,106.34 ; 133.11,106.34 135.27,106.34 ; 133.11,106.34 133.67,105.78 135.56,105.78 ; 52.7,115.84 v1(52.7,117.06) 52.7,118.94 53.8,120.04 55.32,120.04 ; 57.66,106.34 58.23,105.78 60.12,105.78 ; 57.66,106.34 59.82,106.34 ; 57.66,106.34 55.43,108.58 ; 55.43,108.58 54.62,109.39 v1(53.46,109.39) 55.32,109.39 55.32,108.69 55.43,108.58 ; 55.32,120.04 55.32,123.06 C203.1 ; 55.32,120.04 56.93,120.04 ; C221.1 131.22,119.99
  F.FR4 w0.25: 107.73,145.04 108.25,144.52 109.97,144.52 110.18,144.31 110.56,144.31 110.77,144.52 111.62,144.52 111.97,144.17 112.31,144.17 112.71,144.57 113.52,144.57 ; 107.73,145.04 107.55,145.22 107.94,145.61 109.5,145.61 110.37,146.48 112.74,146.48 113.13,146.87 114.66,146.87 115.58,145.95 115.58,145.14 116.15,144.57 113.52,144.57 ; 107.73,145.04 107.73,144.32 108.71,143.34 110.69,143.34 110.89,143.14 112.09,143.14 113.52,144.57
  F.FR4 w0.3: 93.94,122.71 94.55,123.32 97.96,123.32 98.19,123.55 105.59,123.55 ; 126.98,124.8 126.96,124.78 ; 128.71,126.17 128.8,126.08
  F.FR4 w0.4: 105.59,123.55 107.12,125.08 ; 97.56,121.45 98.25,122.14 ; 116.15,144.57 116.33,144.57 117.13,143.77 128.71,143.77 130.5,141.98 136.38,141.98 138.1,140.26 147.03,140.26 147.72,140.95 154.23,140.95 154.98,140.2 156.44,140.2 156.88,140.64 v1(160.05,140.64) ; 71.81,144.97 72.45,144.33 74.88,144.33 76.01,143.2 78.7,143.2 79.83,142.07 81.48,142.07 81.76,141.79 88.43,141.79 89.67,143.03 92.26,143.03 93.75,144.52 97.45,144.52 98.11,145.18 100.78,145.18 101.54,145.94 105.39,145.94 106.11,145.22 107.55,145.22 ; 71.81,144.97 71.8,144.98 ; 71.81,144.97 67.91,144.97 67.46,144.52 67.44,144.52 v1(67.07,144.15) ; 65.6,123.71 65.9,123.41 v1(65.9,122.57) 65.9,123.22 66.39,123.71 ; 113.63,123.19 116.3,123.19 116.49,123 118.68,123 119.15,123.47 119.15,123.41 ; 61.26,93.39 60.22,93.39 59.54,92.71 58.52,92.71 58.74,92.49 59.81,92.49 60.23,92.07 61.41,92.07 v1(61.75,92.41) 61.75,92.9 v1(61.74,92.91) 61.26,93.39
  F.FR4 w0.5: v1(142.28,107.18) 142.14,107.32 141.19,107.32 140.93,107.06 137.78,107.06 137.06,106.34 136.92,106.34 136.91,106.34 ; 140.32,105.51 137.09,105.51 136.92,105.69 v1(136.92,105.78) 136.96,105.83 v1(136.96,106.34) ; 140.32,105.51 141.83,105.51 143.42,107.09 v1(143.42,107.16) ; 140.32,105.51 144.84,105.51 145,105.35 150.27,105.35 151.14,106.22 v1(156.33,106.22) ; 66.85,107.19 65.62,107.19 65.39,106.96 62.01,106.96 61.52,106.47 v1(61.52,106.34) 57.73,106.34 56.92,105.53 ; 66.36,105.54 66.3,105.48 62.35,105.48 62.04,105.78 v1(61.48,105.78) 61.22,105.53 56.92,105.53 ; 66.36,105.54 v1(67.97,107.15) ; 66.36,105.54 69.27,105.54 69.51,105.3 74.58,105.3 75.52,106.24 v1(79.94,106.24) ; 56.92,105.53 56.88,105.49 v1(45.64,105.49) 44.43,105.49 41.74,102.8 40.47,102.8 38.8,101.13 38.8,100.42 38.05,99.67 25.33,99.67 22.32,96.66 18.64,96.66 17.47,95.49 17.47,88.84 18.01,88.3 18.01,74.61 10.45,67.05 10.45,58.05 13.64,54.86 13.64,47.51 v1(13.61,47.48) ; 72.01,122.99 70.63,122.99 70.2,122.56 69.28,122.56 67.57,124.27 66.95,124.27 66.39,123.71 61.7,123.71 61.58,123.83 57.26,123.83 55.85,122.42 52.6,122.42 51.52,121.34 47.16,121.34 45.8,119.98 v1(45.78,119.98) ; 72.01,122.99 72.12,122.99 ; 72.01,122.99 74.84,122.99 75.06,123.21 80.29,123.21 80.65,123.57 82.56,123.57 83.12,124.13 84.14,124.13 86.47,126.46 88.55,126.46 92.3,122.71 93.94,122.71 93.94,122.62 94.69,121.87 96.55,121.87 96.97,121.45 97.56,121.45 ; 107.12,125.08 125.75,125.08 126.05,124.78 126.96,124.78 ; 98.25,122.14 98.79,122.14 98.9,122.03 106.24,122.03 107.55,123.34 111.79,123.34 111.94,123.19 113.63,123.19 ; 131.29,121.25 130.4,122.14 128.09,122.14 127.48,121.53 126.66,121.53 126.12,122.07 125.95,122.07 124.61,123.41 119.15,123.41 ; v2(48.92,16.84) 48.91,16.83 v2(47.96,16.83) ; v1(127.95,126.17) 128.71,126.17 ; v1(127.66,124.8) 126.98,124.8
  F.FR4 w0.79: 70.67,15.44 74.79,15.44 75.23,15 79.41,15 80.38,15.97 82.47,15.97 82.47,15.97 94.2,15.97 95.69,14.48 99.32,14.48 99.84,13.96 105.57,13.96 105.72,14.11 109.47,14.11 110.94,12.64 v2(111.48,12.64) ; 70.67,15.44 70.53,15.44 ; 70.67,15.44 69.98,15.44 69.87,15.33 64.77,15.33 62.77,17.33 54.93,17.33 v2(54.59,16.99) ; v2(27.76,14.69) 28.57,13.88 29.65,13.88 29.85,14.08 33.61,14.08 34.36,13.33 42.19,13.33 43.08,14.22 45.15,14.22 47.76,16.83 v2(47.96,16.83) ; 58.55,92.68 57.46,93.77 52.92,93.77 v1(52.81,93.88)
  B.FR4 w0.1: v1(136.96,106.34) 136.93,106.34 ; v1(136.92,105.78) 136.92,105.78 ; v1(61.48,105.78) 61.48,105.78 ; v1(61.52,106.34) 61.49,106.34
  B.FR4 w0.3: v1(136.47,92.41) 136.46,92.4 ; 127.95,125.09 v1(127.66,124.8) ; v1(53.46,109.39) 53.46,109.38
  B.FR4 w0.4: v1(160.05,140.64) 160.05,133.63 160.48,133.2 160.48,127.72 158.11,125.35 158.11,120.65 156.15,118.69 156.15,114.22 155.32,113.39 v1(155.32,112.54) ; 66.75,137.31 66.47,137.58 66.47,142.19 67.07,142.79 v1(67.07,144.15) ; 66.75,137.31 66.77,137.28 ; 66.75,137.31 66.75,137.28 67.28,136.74 67.28,131.19 66.47,130.38 66.47,126.72 65.9,126.15 v1(65.9,122.57)
  B.FR4 w0.5: 143.42,107.09 v1(143.42,107.16) ; 54.53,15.95 54.68,15.8 54.68,13.72 54.43,13.47 53.41,13.47 53.01,13.87 48.37,13.87 47.54,14.7 47.54,16.22 47.96,16.64 v2(47.96,16.83) 51.17,16.83 51.25,16.91 53.15,16.91 ; 54.53,15.95 54.53,16.89 54.7,17.06 54.55,16.91 53.15,16.91 ; 54.53,15.95 54.53,16.93 v2(54.59,16.99) ; 53.15,16.91 54.51,16.91 v2(54.59,16.99) ; v1(45.78,119.98) 45.72,119.92 45.72,105.57 v1(45.64,105.49) ; v1(131.22,121.33) 131.21,121.33 ; 135.86,104.73 135.86,103.92 136.32,103.46 136.32,96.48 ; 135.86,104.73 v1(136.92,105.78) 136.96,105.83 v1(136.96,106.34) 136.41,106.34 135.86,105.79 135.86,104.73 ; 136.32,96.48 136.31,96.47 ; 136.32,96.48 136.32,92.55 v1(136.47,92.41) ; 54.63,16.99 v2(54.59,16.99) ; 54.63,16.99 54.91,17.27 ; 54.63,16.99 v2(54.59,16.99) ; 54.63,16.99 55,17.36 ; 54.91,17.27 55,17.36 ; 54.91,17.27 55,17.36 ; 55.44,17.36 55,17.36 ; 55.44,17.36 v2(55.5,17.36) ; 55.44,17.36 v2(55.5,17.36) ; 55,17.36 v2(55.5,17.36) ; 53.46,109.38 53.46,108.12 52.76,107.42 ; v1(61.74,92.91) 61.74,92.42 v1(61.75,92.41) ; v1(156.33,106.22) 156.34,106.23 156.34,111.52 v1(155.32,112.54) ; v1(79.29,106.24) v1(79.94,106.24) 80.67,106.97 80.67,110.1 79.89,110.88 v1(79.89,112.53) ; v1(127.95,126.17) 127.95,125.09
  B.FR4 w0.79: 122.11,14.74 122.11,15.49 123.46,16.84 v2(123.49,16.84) ; 122.11,14.74 121.56,14.19 ; 122.11,14.74 121.56,14.19 ; 54.7,17.06 55,17.36 v2(55.5,17.36) 56.26,17.36 v2(56.28,17.34) ; 110.96,12.64 v2(110.64,12.97) ; 110.96,12.64 v2(110.64,12.97) ; 110.96,12.64 v2(111.48,12.64) 115.72,12.64 117.27,14.19 121.56,14.19 ; v2(110.64,12.97) 110.62,12.97 v2(110.01,13.57) ; v1(13.61,47.48) 13.61,47.47 13.65,47.47 15.53,45.59 15.53,43.86 20.34,39.05 26.2,39.05 27.65,37.6 27.65,16.32 27.76,16.21 v2(27.76,14.69) ; 53.15,107.91 53.15,109.13 53.4,109.38 53.46,109.38 ; 53.15,107.91 53.15,107.81 ; 53.15,107.91 53.15,107.81 ; 53.15,107.81 52.76,107.42 52.76,98.61 52.81,98.56 v1(52.81,93.88) 52.81,93.86
